# KiCad board ISA_ES1868.kicad_pcb
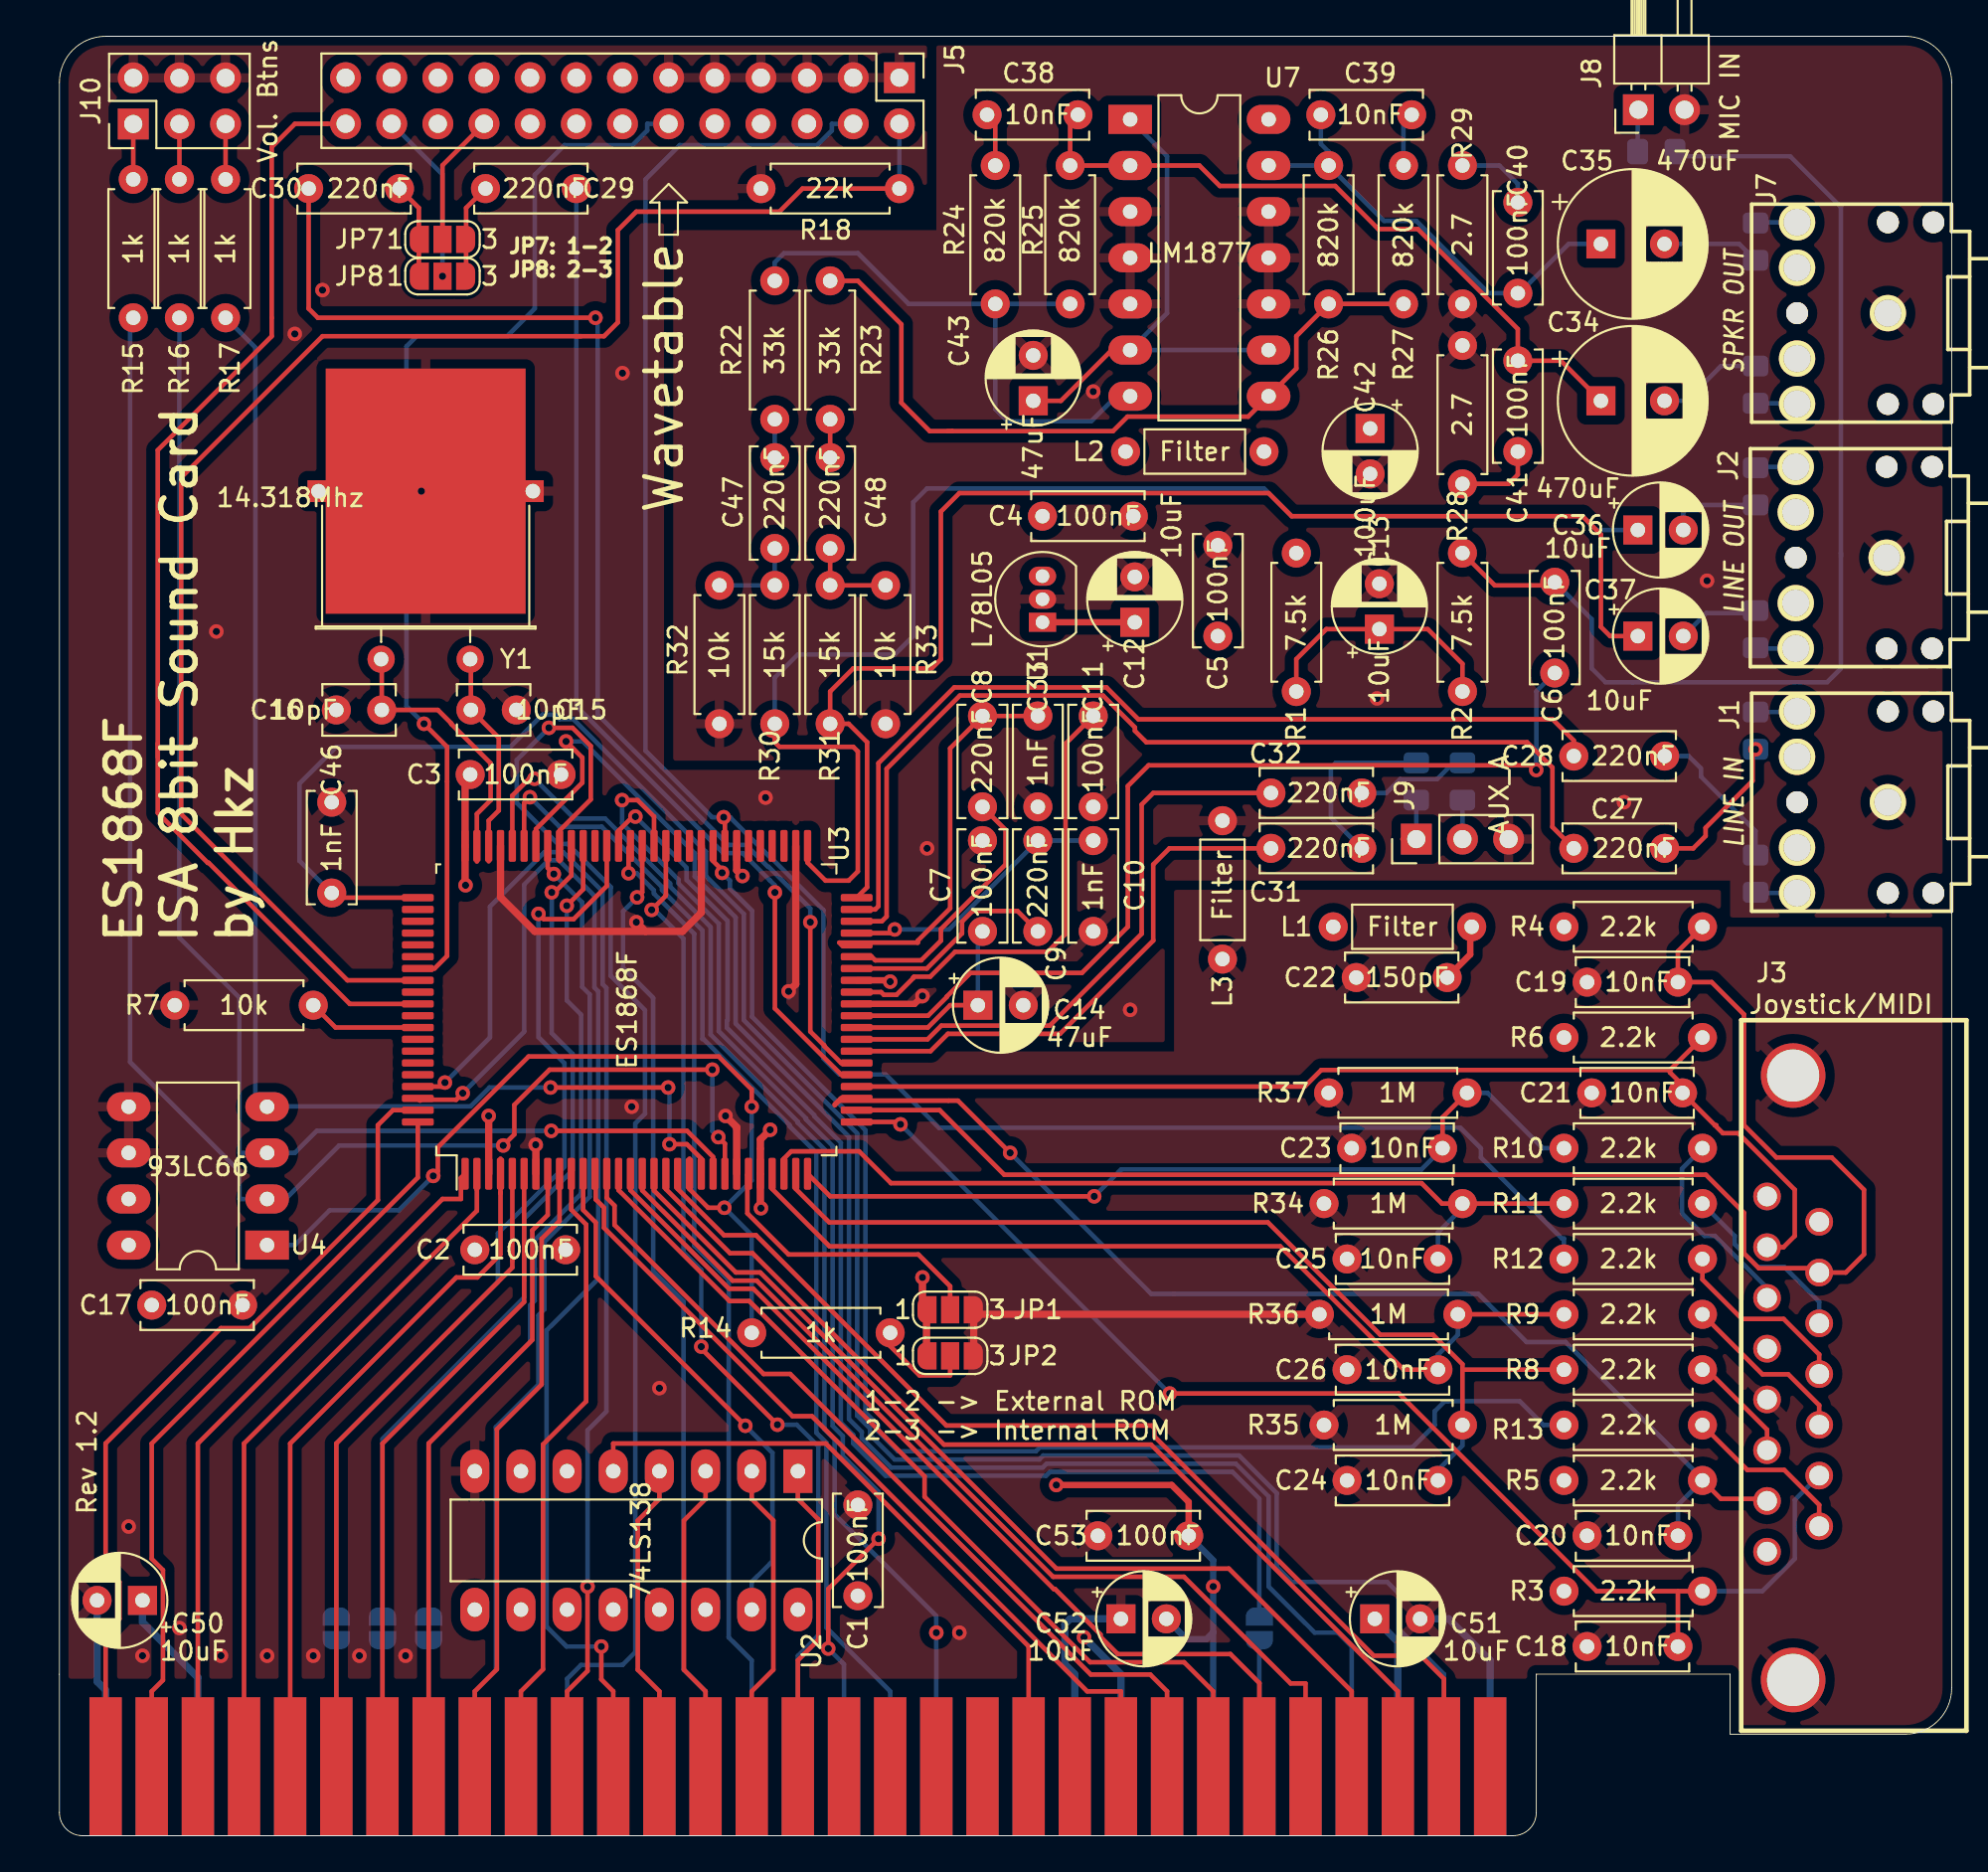
[diagram p0: board, top side]
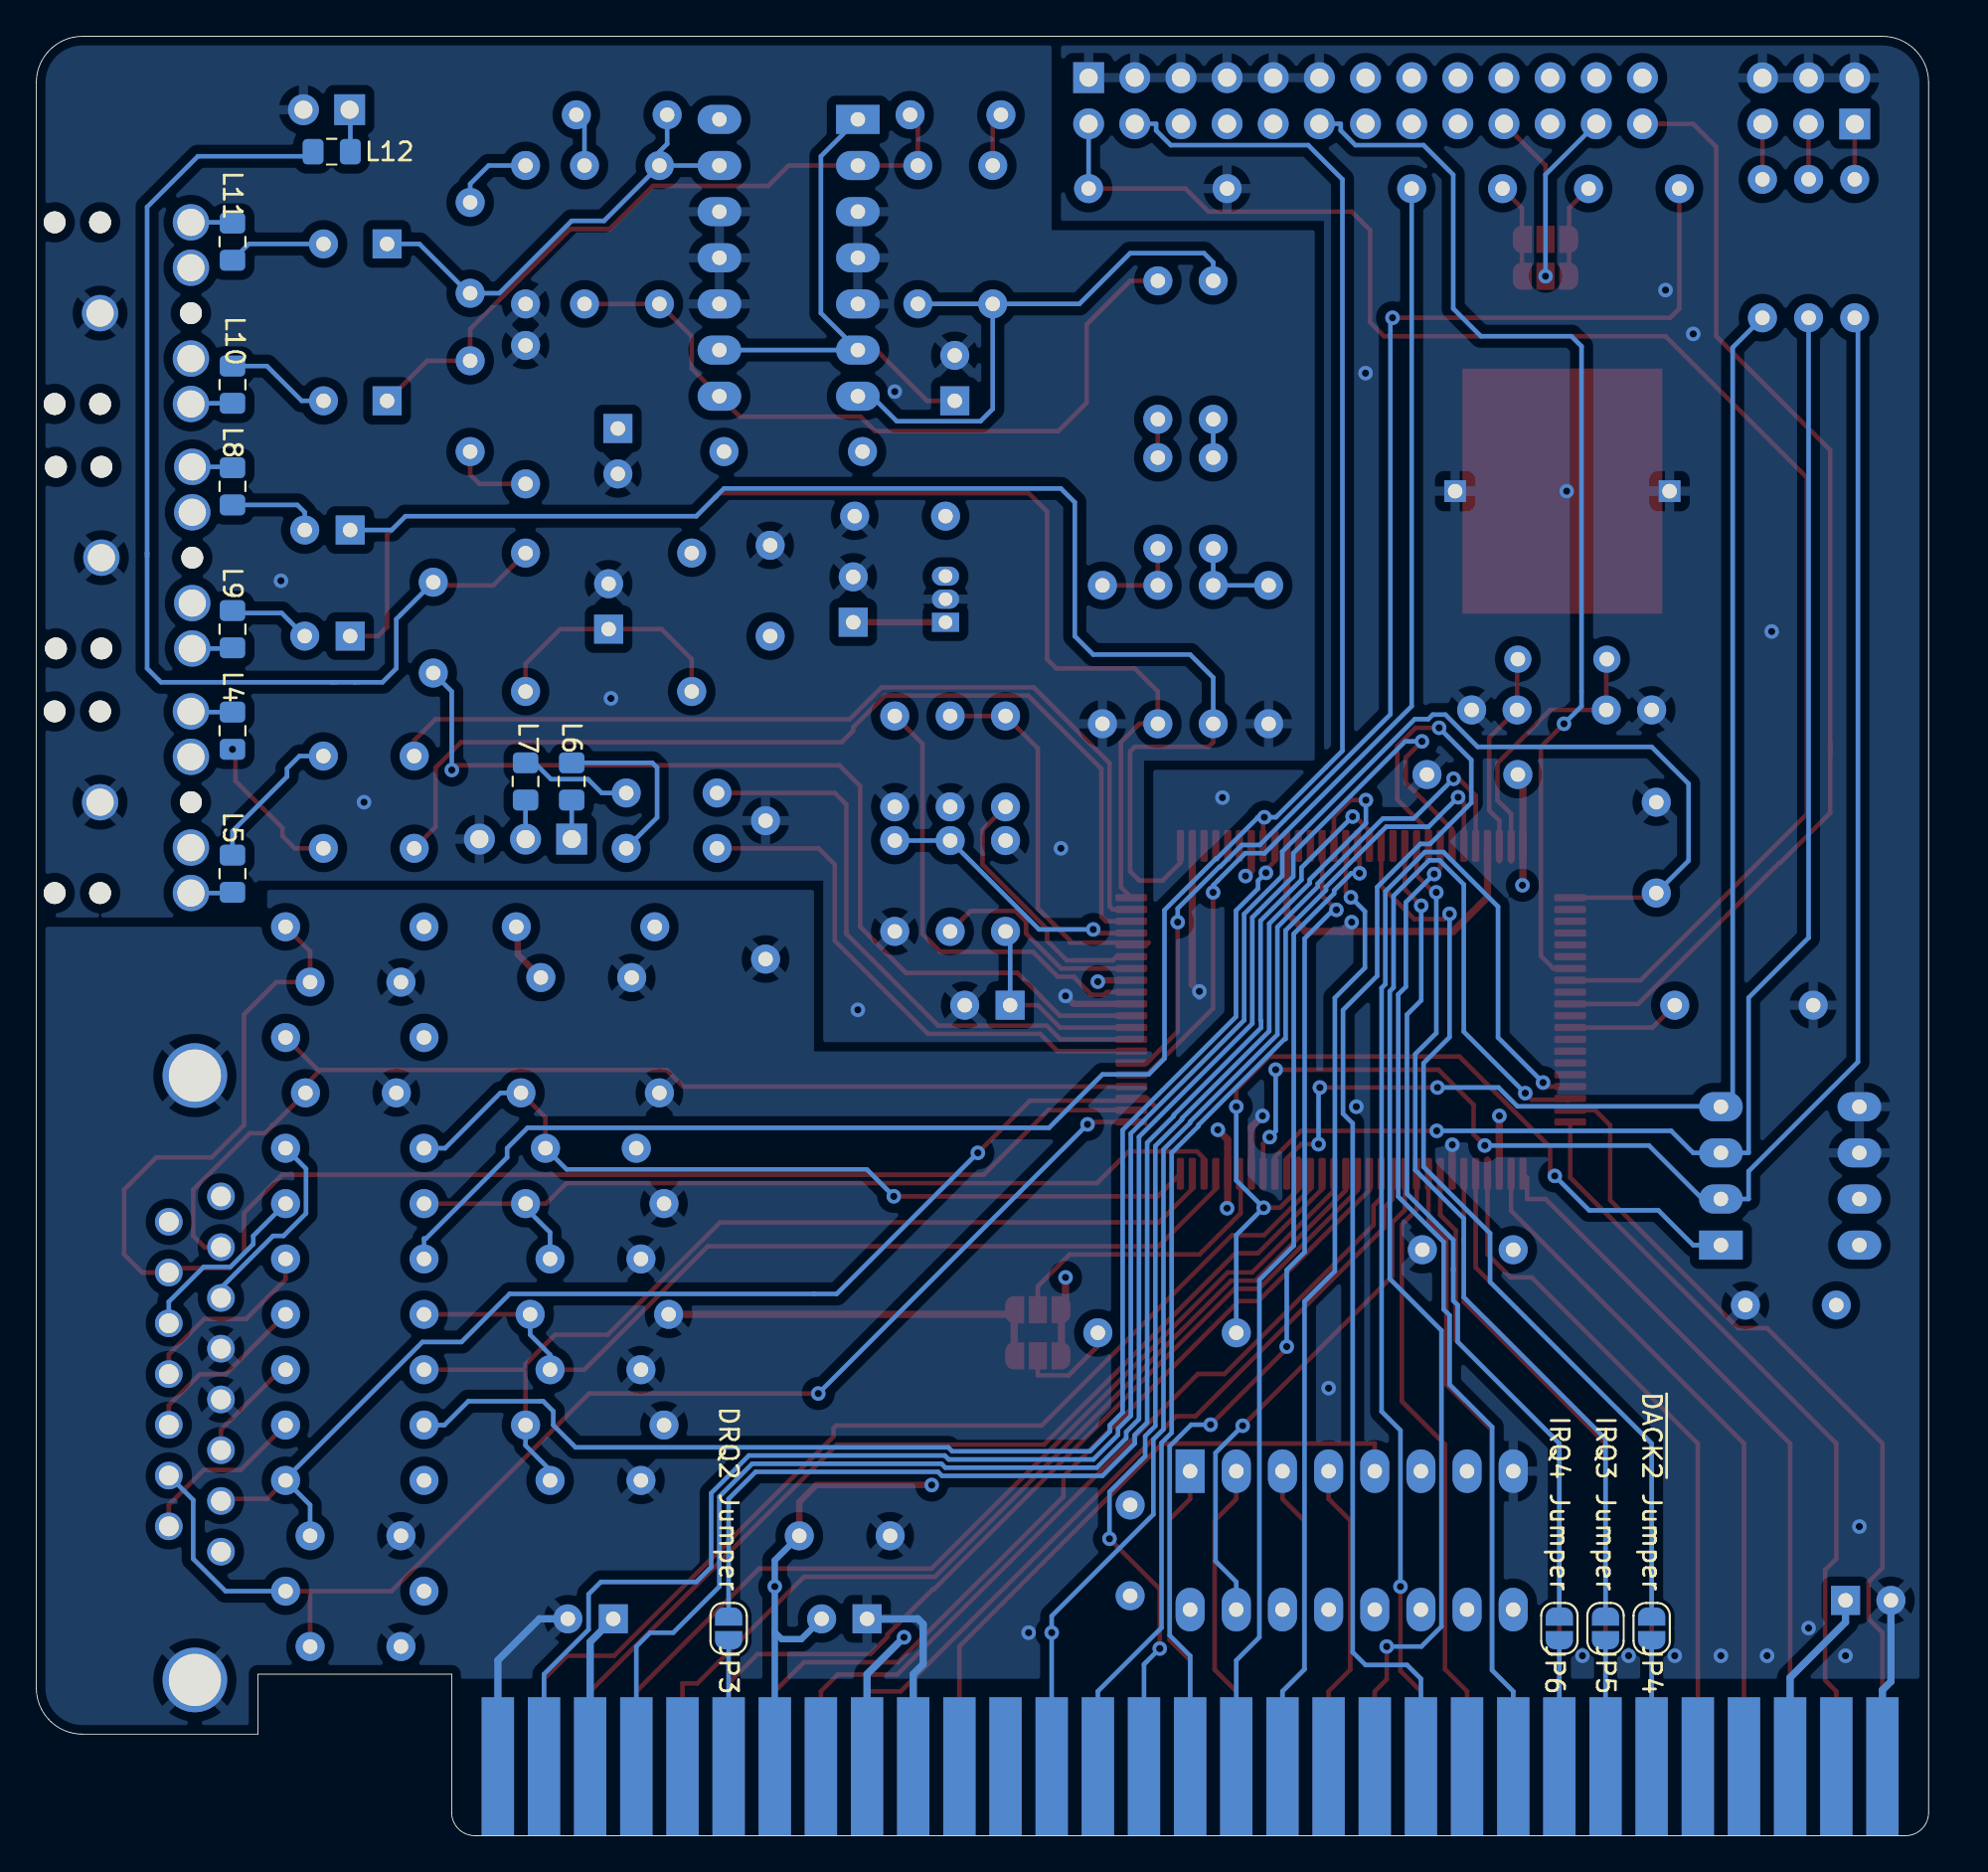
[diagram p1: board, bottom side, seen from below]

Outline 104.14 x 99.06 mm; copper layers: Top, In1.Cu (plane), In2.Cu (plane), Bottom. Coordinates in mm from the lower left corner of the outline.
Outline path: 0,96.52 0,1.27 arc(0.37,0.37) 1.27,0 80.01,0 arc(80.91,0.37) 81.28,1.27 81.28,8.89 91.95,8.89 91.95,5.59 101.6,5.59 arc(103.4,6.33) 104.14,8.13 104.14,96.52 arc(103.4,98.32) 101.6,99.06 2.54,99.06 arc(0.74,98.32) 0,96.52

## Placement (name value [footprint] x y rotation side)
C1  100nF  [C_Disc_D6.0mm_W2.5mm_P5.00mm]  43.94 13.21 90 top
C2  100nF  [C_Disc_D6.0mm_W2.5mm_P5.00mm]  22.86 32.26 0 top
C3  100nF  [C_Disc_D6.0mm_W2.5mm_P5.00mm]  22.61 58.42 0 top
C4  100nF  [C_Disc_D6.0mm_W2.5mm_P5.00mm]  54.1 72.64 0 top
C5  100nF  [C_Disc_D6.0mm_W2.5mm_P5.00mm]  63.75 66.04 90 top
C6  100nF  [C_Disc_D6.0mm_W2.5mm_P5.00mm]  82.3 64.01 90 top
C7  100nF  [C_Disc_D6.0mm_W2.5mm_P5.00mm]  50.8 49.78 90 top
C8  220nF  [C_Disc_D6.0mm_W2.5mm_P5.00mm]  50.8 56.64 90 top
C9  220nF  [C_Disc_D6.0mm_W2.5mm_P5.00mm]  53.85 49.78 90 top
C10  1nF  [C_Disc_D6.0mm_W2.5mm_P5.00mm]  56.9 54.78 270 top
C11  100nF  [C_Disc_D6.0mm_W2.5mm_P5.00mm]  56.9 61.64 270 top
C12  10uF  [CP_Radial_D5.0mm_P2.50mm]  59.18 66.8 90 top
C13  10uF  [CP_Radial_D5.0mm_P2.50mm]  72.64 66.42 90 top
C14  47uF  [CP_Radial_D5.0mm_P2.50mm]  50.55 45.72 0 top
C15  10pF  [C_Disc_D3.8mm_W2.6mm_P2.50mm]  25.15 61.98 180 top
C16  10pF  [C_Disc_D3.8mm_W2.6mm_P2.50mm]  15.24 61.98 0 top
C17  100nF  [C_Disc_D6.0mm_W2.5mm_P5.00mm]  10.08 29.21 180 top
C18  10nF  [C_Disc_D6.0mm_W2.5mm_P5.00mm]  84.07 10.41 0 top
C19  10nF  [C_Disc_D6.0mm_W2.5mm_P5.00mm]  84.07 46.99 0 top
C20  10nF  [C_Disc_D6.0mm_W2.5mm_P5.00mm]  84.07 16.51 0 top
C21  10nF  [C_Disc_D6.0mm_W2.5mm_P5.00mm]  84.33 40.89 0 top
C22  150pF  [C_Disc_D6.0mm_W2.5mm_P5.00mm]  71.37 47.24 0 top
C23  10nF  [C_Disc_D6.0mm_W2.5mm_P5.00mm]  71.12 37.85 0 top
C24  10nF  [C_Disc_D6.0mm_W2.5mm_P5.00mm]  70.87 19.56 0 top
C25  10nF  [C_Disc_D6.0mm_W2.5mm_P5.00mm]  70.87 31.75 0 top
C26  10nF  [C_Disc_D6.0mm_W2.5mm_P5.00mm]  70.87 25.65 0 top
C27  220nF  [C_Disc_D6.0mm_W2.5mm_P5.00mm]  83.34 54.36 0 top
C28  220nF  [C_Disc_D6.0mm_W2.5mm_P5.00mm]  83.34 59.44 0 top
C29  220nF  [C_Disc_D6.0mm_W2.5mm_P5.00mm]  28.45 90.68 180 top
C30  220nF  [C_Disc_D6.0mm_W2.5mm_P5.00mm]  13.72 90.68 0 top
C31  220nF  [C_Disc_D6.0mm_W2.5mm_P5.00mm]  66.68 54.36 0 top
C32  220nF  [C_Disc_D6.0mm_W2.5mm_P5.00mm]  66.68 57.4 0 top
C33  1nF  [C_Disc_D6.0mm_W2.5mm_P5.00mm]  53.85 61.64 270 top
C34  470uF  [CP_Radial_D8.0mm_P3.50mm]  84.84 78.99 0 top
C35  470uF  [CP_Radial_D8.0mm_P3.50mm]  84.84 87.63 0 top
C36  10uF  [CP_Radial_D5.0mm_P2.50mm]  86.87 71.88 0 top
C37  10uF  [CP_Radial_D5.0mm_P2.50mm]  86.87 66.04 0 top
C38  10nF  [C_Disc_D6.0mm_W2.5mm_P5.00mm]  51.05 94.74 0 top
C39  10nF  [C_Disc_D6.0mm_W2.5mm_P5.00mm]  74.42 94.74 180 top
C40  100nF  [C_Disc_D6.0mm_W2.5mm_P5.00mm]  80.26 89.92 270 top
C41  100nF  [C_Disc_D6.0mm_W2.5mm_P5.00mm]  80.26 76.2 90 top
C42  100uF  [CP_Radial_D5.0mm_P2.50mm]  72.14 77.47 270 top
C43  47uF  [CP_Radial_D5.0mm_P2.50mm]  53.59 78.99 90 top
C46  1nF  [C_Disc_D6.0mm_W2.5mm_P5.00mm]  14.99 56.9 270 top
C47  220nF  [C_Disc_D6.0mm_W2.5mm_P5.00mm]  39.37 70.87 90 top
C48  220nF  [C_Disc_D6.0mm_W2.5mm_P5.00mm]  42.42 70.87 90 top
C50  10uF  [CP_Radial_D5.0mm_P2.50mm]  4.57 12.95 180 top
C51  10uF  [CP_Radial_D5.0mm_P2.50mm]  72.39 11.94 0 top
C52  10uF  [CP_Radial_D5.0mm_P2.50mm]  58.42 11.94 0 top
C53  100nF  [C_Disc_D6.0mm_W2.5mm_P5.00mm]  57.15 16.51 0 top
J1  LINE IN  [Conn_Audio_3.5mm_Stereo_SJ1-352XNG]  105.13 56.9 270 top
J2  LINE OUT  [Conn_Audio_3.5mm_Stereo_SJ1-352XNG]  105.06 70.36 270 top
J3  Joystick/MIDI  [SB_DB15_152-3415]  93.98 15.63 0 top
J5  Wavetable  [PinHeader_2x13_P2.54mm_Vertical]  46.23 96.78 270 top
J7  SPKR OUT  [Conn_Audio_3.5mm_Stereo_SJ1-352XNG]  105.13 83.82 270 top
J8  MIC IN  [PinHeader_1x02_P2.54mm_Horizontal]  86.9 95.02 90 top
J9  AUX_A  [PinHeader_1x03_P2.54mm_Vertical]  74.68 54.86 90 top
J10  Vol. Btns  [PinHeader_2x03_P2.54mm_Vertical]  4.06 94.23 90 top
J11  ISA BUS  [Conn_Edge_PCB_ISA8]  40.64 3.81 0 top
JP1  Intl. ROM 1  [SolderJumper-3_P1.3mm_Open_RoundedPad1.0x1.5mm_NumberLabels]  49.02 28.96 0 top
JP2  Intl. ROM 2  [SolderJumper-3_P1.3mm_Open_RoundedPad1.0x1.5mm_NumberLabels]  49.02 26.42 0 top
JP3  DRQ2 Jumper  [SolderJumper-2_P1.3mm_Open_RoundedPad1.0x1.5mm]  66.04 11.41 90 bottom
JP4  ~{DACK2} Jumper  [SolderJumper-2_P1.3mm_Open_RoundedPad1.0x1.5mm]  15.24 11.41 90 bottom
JP5  IRQ3 Jumper  [SolderJumper-2_P1.3mm_Open_RoundedPad1.0x1.5mm]  17.78 11.41 90 bottom
JP6  IRQ4 Jumper  [SolderJumper-2_P1.3mm_Open_RoundedPad1.0x1.5mm]  20.32 11.41 90 bottom
JP7  WTBL. P20  [SolderJumper-3_P1.3mm_Open_RoundedPad1.0x1.5mm_NumberLabels]  21.08 87.88 0 top
JP8  WTBL. P24  [SolderJumper-3_P1.3mm_Open_RoundedPad1.0x1.5mm_NumberLabels]  21.08 85.85 0 top
L1  Filter  [L_Axial_L5.3mm_D2.2mm_P7.62mm_Horizontal_Vishay_IM-1]  70.1 50.04 0 top
L2  Filter  [L_Axial_L5.3mm_D2.2mm_P7.62mm_Horizontal_Vishay_IM-1]  58.67 76.2 0 top
L3  Filter  [L_Axial_L5.3mm_D2.2mm_P7.62mm_Horizontal_Vishay_IM-1]  64.01 48.26 90 top
L4  BLM21PG331BH1D  [L_0805_2012Metric_Pad1.15x1.40mm_HandSolder]  93.35 60.83 270 bottom
L5  BLM21PG331BH1D  [L_0805_2012Metric_Pad1.15x1.40mm_HandSolder]  93.35 52.96 90 bottom
L6  BLM21PG331BH1D  [L_0805_2012Metric_Pad1.15x1.40mm_HandSolder]  74.68 58.04 90 bottom
L7  BLM21PG331BH1D  [L_0805_2012Metric_Pad1.15x1.40mm_HandSolder]  77.22 58.04 90 bottom
L8  BLM21PG331BH1D  [L_0805_2012Metric_Pad1.15x1.40mm_HandSolder]  93.35 74.29 270 bottom
L9  BLM21PG331BH1D  [L_0805_2012Metric_Pad1.15x1.40mm_HandSolder]  93.35 66.42 90 bottom
L10  742792093  [L_0805_2012Metric_Pad1.15x1.40mm_HandSolder]  93.35 79.88 90 bottom
L11  742792093  [L_0805_2012Metric_Pad1.15x1.40mm_HandSolder]  93.35 87.76 270 bottom
L12  BLM21PG331BH1D  [L_0805_2012Metric_Pad1.15x1.40mm_HandSolder]  87.88 92.71 0 bottom
R1  7.5k  [R_Axial_DIN0207_L6.3mm_D2.5mm_P7.62mm_Horizontal]  68.07 70.61 270 top
R2  7.5k  [R_Axial_DIN0207_L6.3mm_D2.5mm_P7.62mm_Horizontal]  77.22 62.99 90 top
R3  2.2k  [R_Axial_DIN0207_L6.3mm_D2.5mm_P7.62mm_Horizontal]  90.42 13.46 180 top
R4  2.2k  [R_Axial_DIN0207_L6.3mm_D2.5mm_P7.62mm_Horizontal]  90.42 50.04 180 top
R5  2.2k  [R_Axial_DIN0207_L6.3mm_D2.5mm_P7.62mm_Horizontal]  90.42 19.56 180 top
R6  2.2k  [R_Axial_DIN0207_L6.3mm_D2.5mm_P7.62mm_Horizontal]  90.42 43.94 180 top
R7  10k  [R_Axial_DIN0207_L6.3mm_D2.5mm_P7.62mm_Horizontal]  13.97 45.72 180 top
R8  2.2k  [R_Axial_DIN0207_L6.3mm_D2.5mm_P7.62mm_Horizontal]  90.42 25.65 180 top
R9  2.2k  [R_Axial_DIN0207_L6.3mm_D2.5mm_P7.62mm_Horizontal]  90.42 28.7 180 top
R10  2.2k  [R_Axial_DIN0207_L6.3mm_D2.5mm_P7.62mm_Horizontal]  90.42 37.85 180 top
R11  2.2k  [R_Axial_DIN0207_L6.3mm_D2.5mm_P7.62mm_Horizontal]  90.42 34.8 180 top
R12  2.2k  [R_Axial_DIN0207_L6.3mm_D2.5mm_P7.62mm_Horizontal]  90.42 31.75 180 top
R13  2.2k  [R_Axial_DIN0207_L6.3mm_D2.5mm_P7.62mm_Horizontal]  90.42 22.61 180 top
R14  1k  [R_Axial_DIN0207_L6.3mm_D2.5mm_P7.62mm_Horizontal]  45.72 27.69 180 top
R15  1k  [R_Axial_DIN0207_L6.3mm_D2.5mm_P7.62mm_Horizontal]  4.06 83.57 90 top
R16  1k  [R_Axial_DIN0207_L6.3mm_D2.5mm_P7.62mm_Horizontal]  6.6 83.57 90 top
R17  1k  [R_Axial_DIN0207_L6.3mm_D2.5mm_P7.62mm_Horizontal]  9.14 83.57 90 top
R18  22k  [R_Axial_DIN0207_L6.3mm_D2.5mm_P7.62mm_Horizontal]  46.23 90.68 180 top
R22  33k  [R_Axial_DIN0207_L6.3mm_D2.5mm_P7.62mm_Horizontal]  39.37 77.98 90 top
R23  33k  [R_Axial_DIN0207_L6.3mm_D2.5mm_P7.62mm_Horizontal]  42.42 77.98 90 top
R24  820k  [R_Axial_DIN0207_L6.3mm_D2.5mm_P7.62mm_Horizontal]  51.5 84.33 90 top
R25  820k  [R_Axial_DIN0207_L6.3mm_D2.5mm_P7.62mm_Horizontal]  55.63 84.33 90 top
R26  820k  [R_Axial_DIN0207_L6.3mm_D2.5mm_P7.62mm_Horizontal]  69.85 84.33 90 top
R27  820k  [R_Axial_DIN0207_L6.3mm_D2.5mm_P7.62mm_Horizontal]  73.97 84.33 90 top
R28  2.7  [R_Axial_DIN0207_L6.3mm_D2.5mm_P7.62mm_Horizontal]  77.22 82.04 270 top
R29  2.7  [R_Axial_DIN0207_L6.3mm_D2.5mm_P7.62mm_Horizontal]  77.22 84.33 90 top
R30  15k  [R_Axial_DIN0207_L6.3mm_D2.5mm_P7.62mm_Horizontal]  39.37 61.21 90 top
R31  15k  [R_Axial_DIN0207_L6.3mm_D2.5mm_P7.62mm_Horizontal]  42.42 61.21 90 top
R32  10k  [R_Axial_DIN0207_L6.3mm_D2.5mm_P7.62mm_Horizontal]  36.32 68.83 270 top
R33  10k  [R_Axial_DIN0207_L6.3mm_D2.5mm_P7.62mm_Horizontal]  45.47 68.83 270 top
R34  1M  [R_Axial_DIN0207_L6.3mm_D2.5mm_P7.62mm_Horizontal]  69.6 34.8 0 top
R35  1M  [R_Axial_DIN0207_L6.3mm_D2.5mm_P7.62mm_Horizontal]  69.6 22.61 0 top
R36  1M  [R_Axial_DIN0207_L6.3mm_D2.5mm_P7.62mm_Horizontal]  69.34 28.7 0 top
R37  1M  [R_Axial_DIN0207_L6.3mm_D2.5mm_P7.62mm_Horizontal]  69.85 40.89 0 top
REF**  -  [MNT_KEYSTONE_9200-3]  81.33 7.62 0 top
U1  L78L05  [TO-92_Inline]  54.1 66.8 90 top
U2  74LS138  [DIP-16_W7.62mm_LongPads]  40.64 20.07 270 top
U3  ES1868F  [LQFP-14x20mm_P0.5mm]  31.75 45.47 90 top
U4  93LC66  [DIP-8_W7.62mm_LongPads]  11.43 32.51 180 top
U7  LM1877  [DIP-14_W7.62mm_LongPads]  58.93 94.49 0 top
Y1  14.318Mhz  [Crystal_HC49-U_Horizontal_1EP_style2]  22.61 64.77 180 top

## Footprints (pads in the part's own frame, mm; a bottom-side part is the same pattern mirrored in y, then rotated)
C_Disc_D3.8mm_W2.6mm_P2.50mm
  round 1.6 hole 0.8: 1(0,0) 2(2.5,0)
C_Disc_D6.0mm_W2.5mm_P5.00mm
  round 1.6 hole 0.8: 1(0,0) 2(5,0)
Conn_Audio_3.5mm_Stereo_SJ1-352XNG
  round 1.2 hole 1.2: (-5,-2) (-5,-4.5) (0,-9.5) (5,-2) (5,-4.5)
  round 2 hole 1.5: 1(0,-4.5) 2(-5,-9.5) 3(5,-9.5) 4(-2.5,-9.5) 5(2.5,-9.5)
Conn_Edge_PCB_ISA8
  rect 1.778x7.62 smd far side: 1(38.1,0) 2(35.56,0) 3(33.02,0) 4(30.48,0) 5(27.94,0) 6(25.4,0) 7(22.86,0) 8(20.32,0) 9(17.78,0) 10(15.24,0) 11(12.7,0) 12(10.16,0) 13(7.62,0) 14(5.08,0) 15(2.54,0) 16(0,0) 17(-2.54,0) 18(-5.08,0) 19(-7.62,0) 20(-10.16,0) 21(-12.7,0) 22(-15.24,0) 23(-17.78,0) 24(-20.32,0) 25(-22.86,0) 26(-25.4,0) 27(-27.94,0) 28(-30.48,0) 29(-33.02,0) 30(-35.56,0) 31(-38.1,0)
  rect 1.778x7.62 smd: 32(38.1,0) 33(35.56,0) 34(33.02,0) 35(30.48,0) 36(27.94,0) 37(25.4,0) 38(22.86,0) 39(20.32,0) 40(17.78,0) 41(15.24,0) 42(12.7,0) 43(10.16,0) 44(7.62,0) 45(5.08,0) 46(2.54,0) 47(0,0) 48(-2.54,0) 49(-5.08,0) 50(-7.62,0) 51(-10.16,0) 52(-12.7,0) 53(-15.24,0) 54(-17.78,0) 55(-20.32,0) 56(-22.86,0) 57(-25.4,0) 58(-27.94,0) 59(-30.48,0) 60(-33.02,0) 61(-35.56,0) 62(-38.1,0)
CP_Radial_D5.0mm_P2.50mm
  rect 1.6x1.6 hole 0.8: 1(0,0)
  round 1.6 hole 0.8: 2(2.5,0)
CP_Radial_D8.0mm_P3.50mm
  rect 1.6x1.6 hole 0.8: 1(0,0)
  round 1.6 hole 0.8: 2(3.5,0)
Crystal_HC49-U_Horizontal_1EP_style2
  round 1.5 hole 0.8: 1(0,0) 2(4.9,0)
  rect 1.2x1.2 hole 0.8: 3(-3.45,-9.25) 3(8.35,-9.25)
  rect 11x13.5 smd: 3(2.45,-9.25)
DIP-8_W7.62mm_LongPads
  rect 2.4x1.6 hole 0.8: 1(0,0)
  oval 2.4x1.6 hole 0.8: 2(0,-2.54) 3(0,-5.08) 4(0,-7.62) 5(7.62,-7.62) 6(7.62,-5.08) 7(7.62,-2.54) 8(7.62,0)
DIP-14_W7.62mm_LongPads
  rect 2.4x1.6 hole 0.8: 1(0,0)
  oval 2.4x1.6 hole 0.8: 2(0,-2.54) 3(0,-5.08) 4(0,-7.62) 5(0,-10.16) 6(0,-12.7) 7(0,-15.24) 8(7.62,-15.24) 9(7.62,-12.7) 10(7.62,-10.16) 11(7.62,-7.62) 12(7.62,-5.08) 13(7.62,-2.54) 14(7.62,0)
DIP-16_W7.62mm_LongPads
  rect 2.4x1.6 hole 0.8: 1(0,0)
  oval 2.4x1.6 hole 0.8: 2(0,-2.54) 3(0,-5.08) 4(0,-7.62) 5(0,-10.16) 6(0,-12.7) 7(0,-15.24) 8(0,-17.78) 9(7.62,-17.78) 10(7.62,-15.24) 11(7.62,-12.7) 12(7.62,-10.16) 13(7.62,-7.62) 14(7.62,-5.08) 15(7.62,-2.54) 16(7.62,0)
L_0805_2012Metric_Pad1.15x1.40mm_HandSolder
  rrect 1.15x1.4 smd: 1(-1.025,0) 2(1.025,0)
L_Axial_L5.3mm_D2.2mm_P7.62mm_Horizontal_Vishay_IM-1
  round 1.6 hole 0.8: 1(0,0)
  oval 1.6x1.6 hole 0.8: 2(7.62,0)
LQFP-14x20mm_P0.5mm
  rrect 1.75x0.4 smd: 1(-9.025,9.425) 2(-9.025,8.775) 3(-9.025,8.125) 4(-9.025,7.475) 5(-9.025,6.825) 6(-9.025,6.175) 7(-9.025,5.525) 8(-9.025,4.875) 9(-9.025,4.225) 10(-9.025,3.575) 11(-9.025,2.925) 12(-9.025,2.275) 13(-9.025,1.625) 14(-9.025,0.975) 15(-9.025,0.325) 16(-9.025,-0.325) 17(-9.025,-0.975) 18(-9.025,-1.625) 19(-9.025,-2.275) 20(-9.025,-2.925) 21(-9.025,-3.575) 22(-9.025,-4.225) 23(-9.025,-4.875) 24(-9.025,-5.525) 25(-9.025,-6.175) 26(-9.025,-6.825) 27(-9.025,-7.475) 28(-9.025,-8.125) 29(-9.025,-8.775) 30(-9.025,-9.425) 51(9.025,-9.425) 52(9.025,-8.775) 53(9.025,-8.125) 54(9.025,-7.475) 55(9.025,-6.825) 56(9.025,-6.175) 57(9.025,-5.525) 58(9.025,-4.875) 59(9.025,-4.225) 60(9.025,-3.575) 61(9.025,-2.925) 62(9.025,-2.275) 63(9.025,-1.625) 64(9.025,-0.975) 65(9.025,-0.325) 66(9.025,0.325) 67(9.025,0.975) 68(9.025,1.625) 69(9.025,2.275) 70(9.025,2.925) 71(9.025,3.575) 72(9.025,4.225) 73(9.025,4.875) 74(9.025,5.525) 75(9.025,6.175) 76(9.025,6.825) 77(9.025,7.475) 78(9.025,8.125) 79(9.025,8.775) 80(9.025,9.425)
  rrect 0.4x1.75 smd: 31(-6.175,-12.125) 32(-5.525,-12.125) 33(-4.875,-12.125) 34(-4.225,-12.125) 35(-3.575,-12.125) 36(-2.925,-12.125) 37(-2.275,-12.125) 38(-1.625,-12.125) 39(-0.975,-12.125) 40(-0.325,-12.125) 41(0.325,-12.125) 42(0.975,-12.125) 43(1.625,-12.125) 44(2.275,-12.125) 45(2.925,-12.125) 46(3.575,-12.125) 47(4.225,-12.125) 48(4.875,-12.125) 49(5.525,-12.125) 50(6.175,-12.125) 81(6.175,12.025) 82(5.525,12.025) 83(4.875,12.025) 84(4.225,12.025) 85(3.575,12.025) 86(2.925,12.025) 87(2.275,12.025) 88(1.625,12.025) 89(0.975,12.025) 90(0.325,12.025) 91(-0.325,12.025) 92(-0.975,12.025) 93(-1.625,12.025) 94(-2.275,12.025) 95(-2.925,12.025) 96(-3.575,12.025) 97(-4.225,12.025) 98(-4.875,12.025) 99(-5.525,12.025) 100(-6.175,12.025)
PinHeader_1x02_P2.54mm_Horizontal
  rect 1.7x1.7 hole 1: 1(0,0)
  oval 1.7x1.7 hole 1: 2(0,-2.54)
PinHeader_1x03_P2.54mm_Vertical
  rect 1.7x1.7 hole 1: 1(0,0)
  oval 1.7x1.7 hole 1: 2(0,-2.54) 3(0,-5.08)
PinHeader_2x03_P2.54mm_Vertical
  rect 1.7x1.7 hole 1: 1(0,0)
  oval 1.7x1.7 hole 1: 2(2.54,0) 3(0,-2.54) 4(2.54,-2.54) 5(0,-5.08) 6(2.54,-5.08)
PinHeader_2x13_P2.54mm_Vertical
  rect 1.7x1.7 hole 1: 1(0,0)
  oval 1.7x1.7 hole 1: 2(2.54,0) 3(0,-2.54) 4(2.54,-2.54) 5(0,-5.08) 6(2.54,-5.08) 7(0,-7.62) 8(2.54,-7.62) 9(0,-10.16) 10(2.54,-10.16) 11(0,-12.7) 12(2.54,-12.7) 13(0,-15.24) 14(2.54,-15.24) 15(0,-17.78) 16(2.54,-17.78) 17(0,-20.32) 18(2.54,-20.32) 19(0,-22.86) 20(2.54,-22.86) 21(0,-25.4) 22(2.54,-25.4) 23(0,-27.94) 24(2.54,-27.94) 25(0,-30.48) 26(2.54,-30.48)
R_Axial_DIN0207_L6.3mm_D2.5mm_P7.62mm_Horizontal
  round 1.6 hole 0.8: 1(0,0)
  oval 1.6x1.6 hole 0.8: 2(7.62,0)
SB_DB15_152-3415
  round 3.556 hole 2.87: 0(1.435,26.213) 0(1.435,-7.061)
  round 1.524 hole 1.092: 1(0,19.558) 2(0,16.764) 3(0,13.97) 4(0,11.176) 5(0,8.382) 6(0,5.588) 7(0,2.794) 8(0,0) 9(2.87,18.161) 10(2.87,15.367) 11(2.87,12.573) 12(2.87,9.779) 13(2.87,6.985) 14(2.87,4.191) 15(2.87,1.397)
SolderJumper-2_P1.3mm_Open_RoundedPad1.0x1.5mm
  custom 1x1.5 smd: 1(-0.65,0) 2(0.65,0)
SolderJumper-3_P1.3mm_Open_RoundedPad1.0x1.5mm_NumberLabels
  custom 1.05x1.5 smd: 1(-1.3,0) 3(1.3,0)
  rect 1x1.5 smd: 2(0,0)
TO-92_Inline
  rect 1.05x1.5 hole 0.75: 1(0,0)
  oval 1.05x1.5 hole 0.75: 2(1.27,0) 3(2.54,0)
